# Altium PCB PCB1.PcbDoc (part 1 of 2)
Units mil, origin at the board's own origin, x right, y up, seen from the top; angles counter-clockwise.
Board outline 4115.03 x 4635.01 mil, 2 copper layers (Top Layer, Bottom Layer); 73 components, 69 nets, 299 pads, 57 vias.
Unrouted connection lines stored in the file: 1.
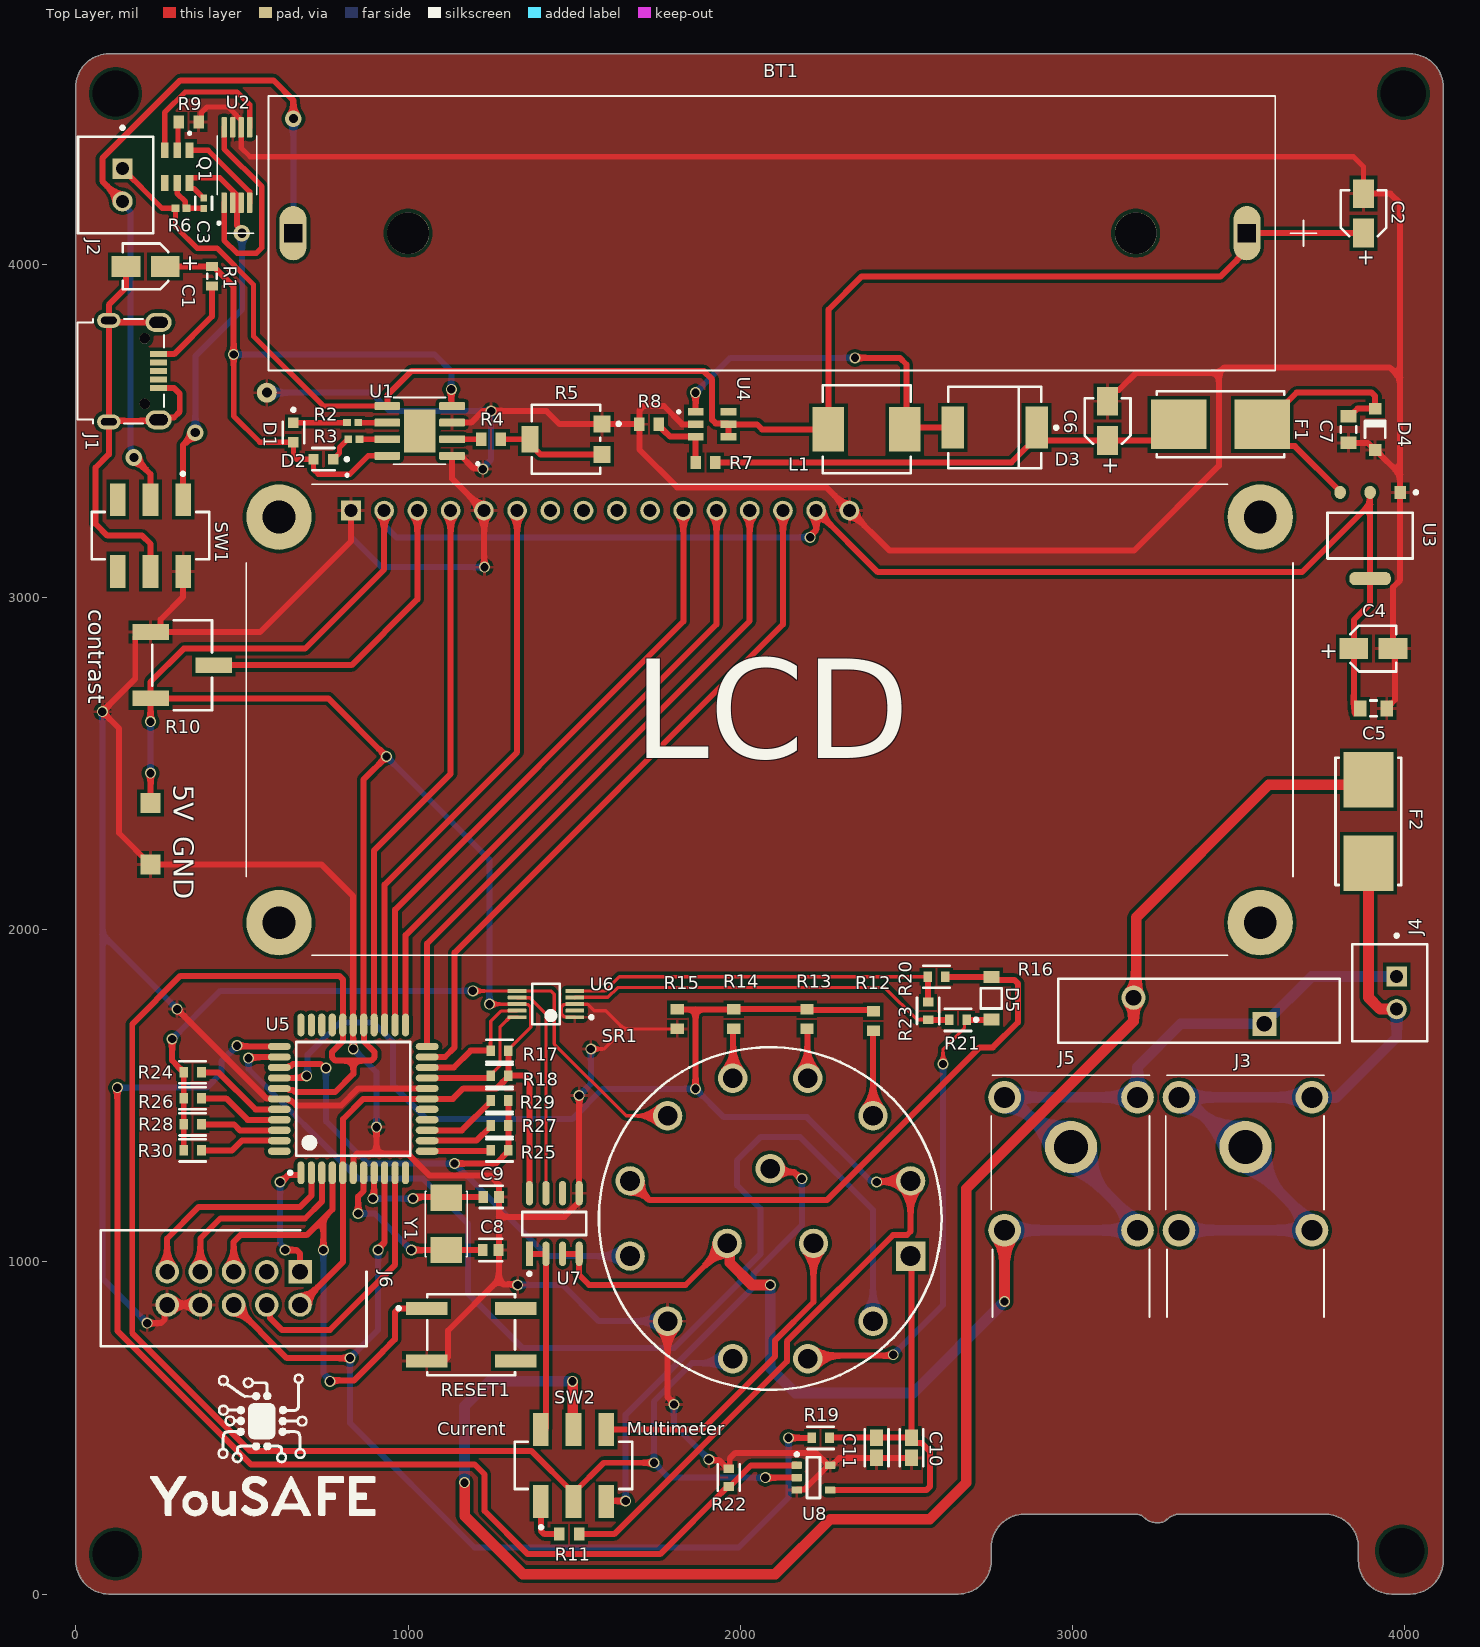
[diagram p0: Top Layer view]
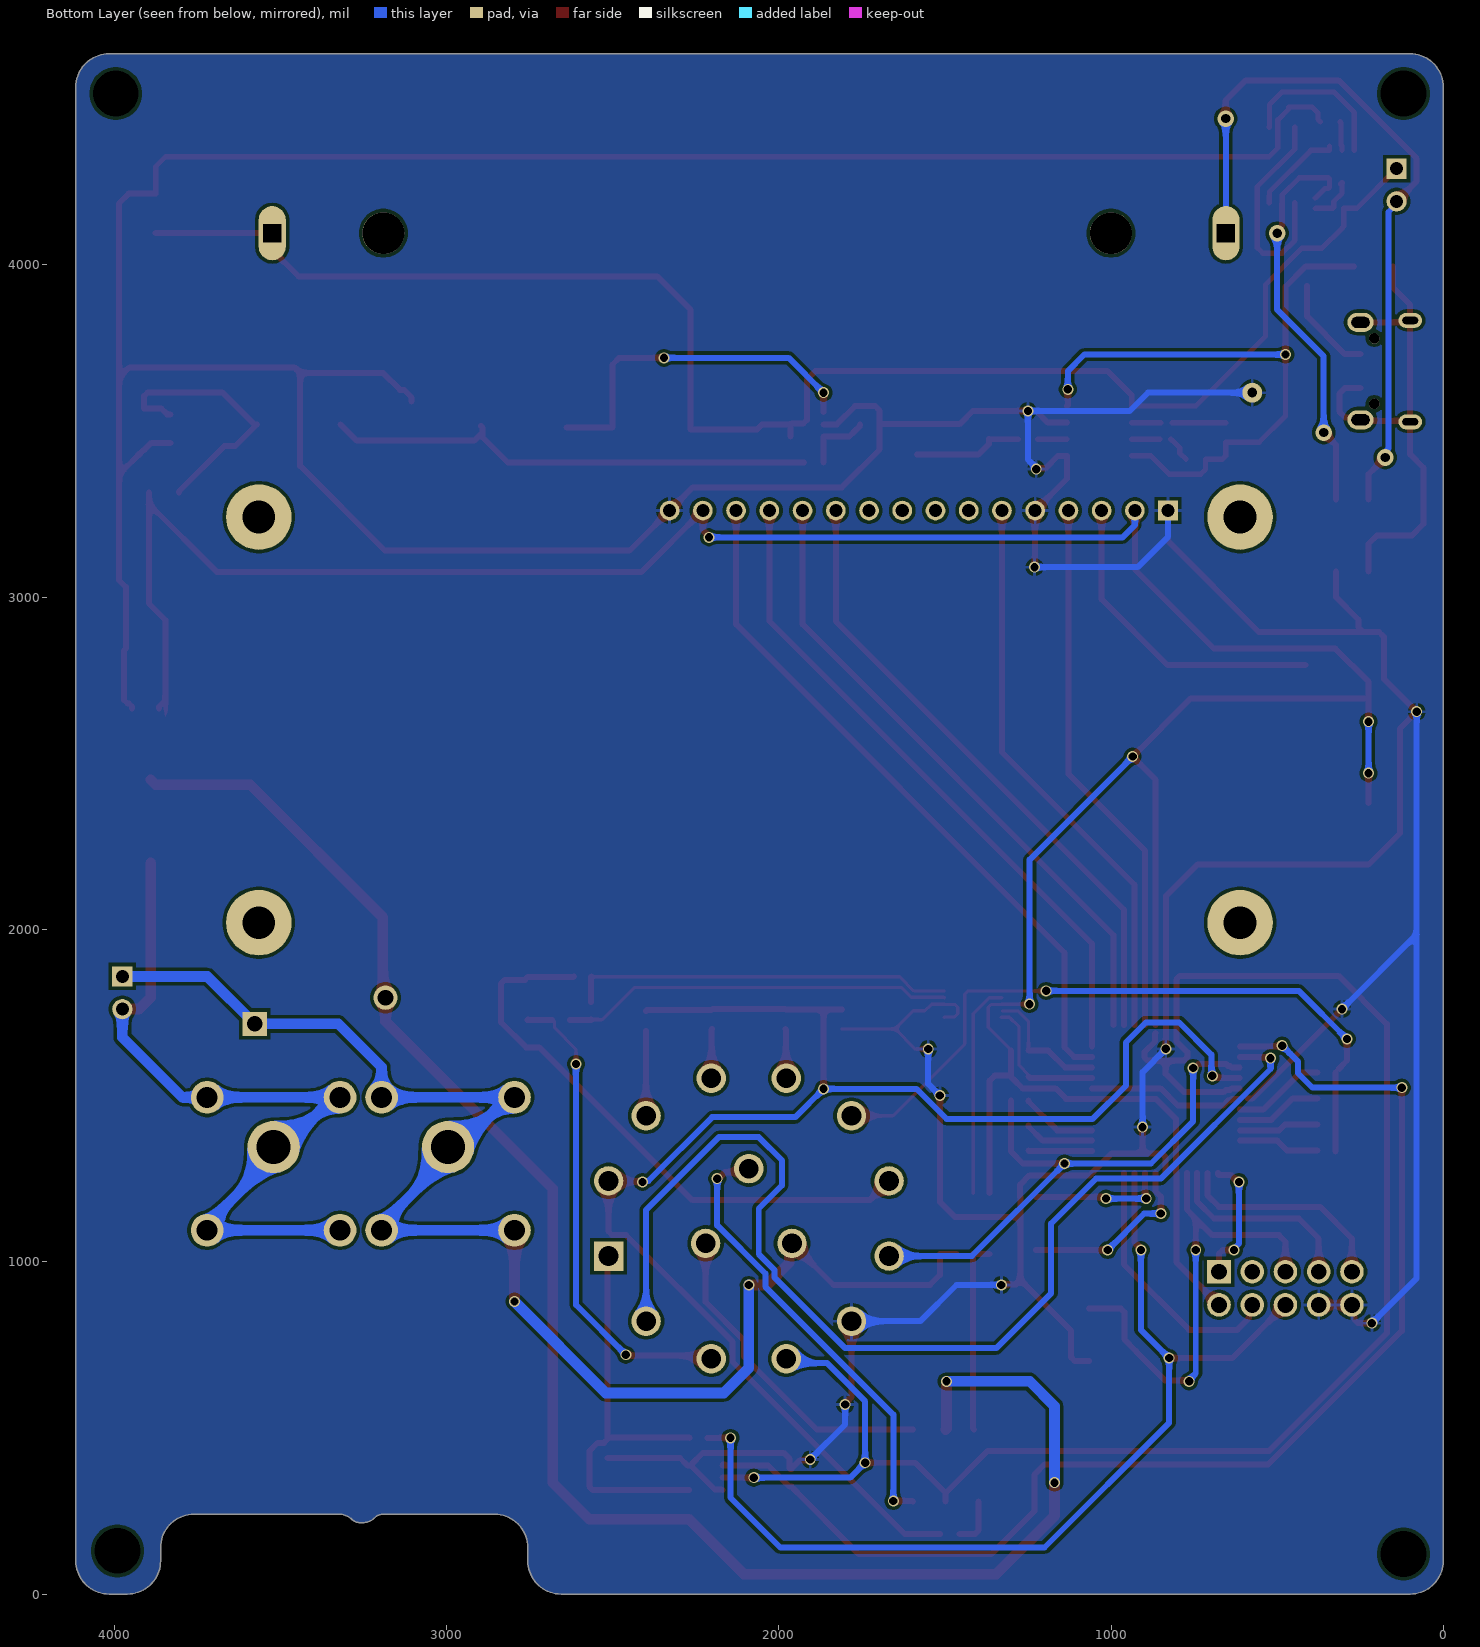
[diagram p1: Bottom Layer view, seen from below]
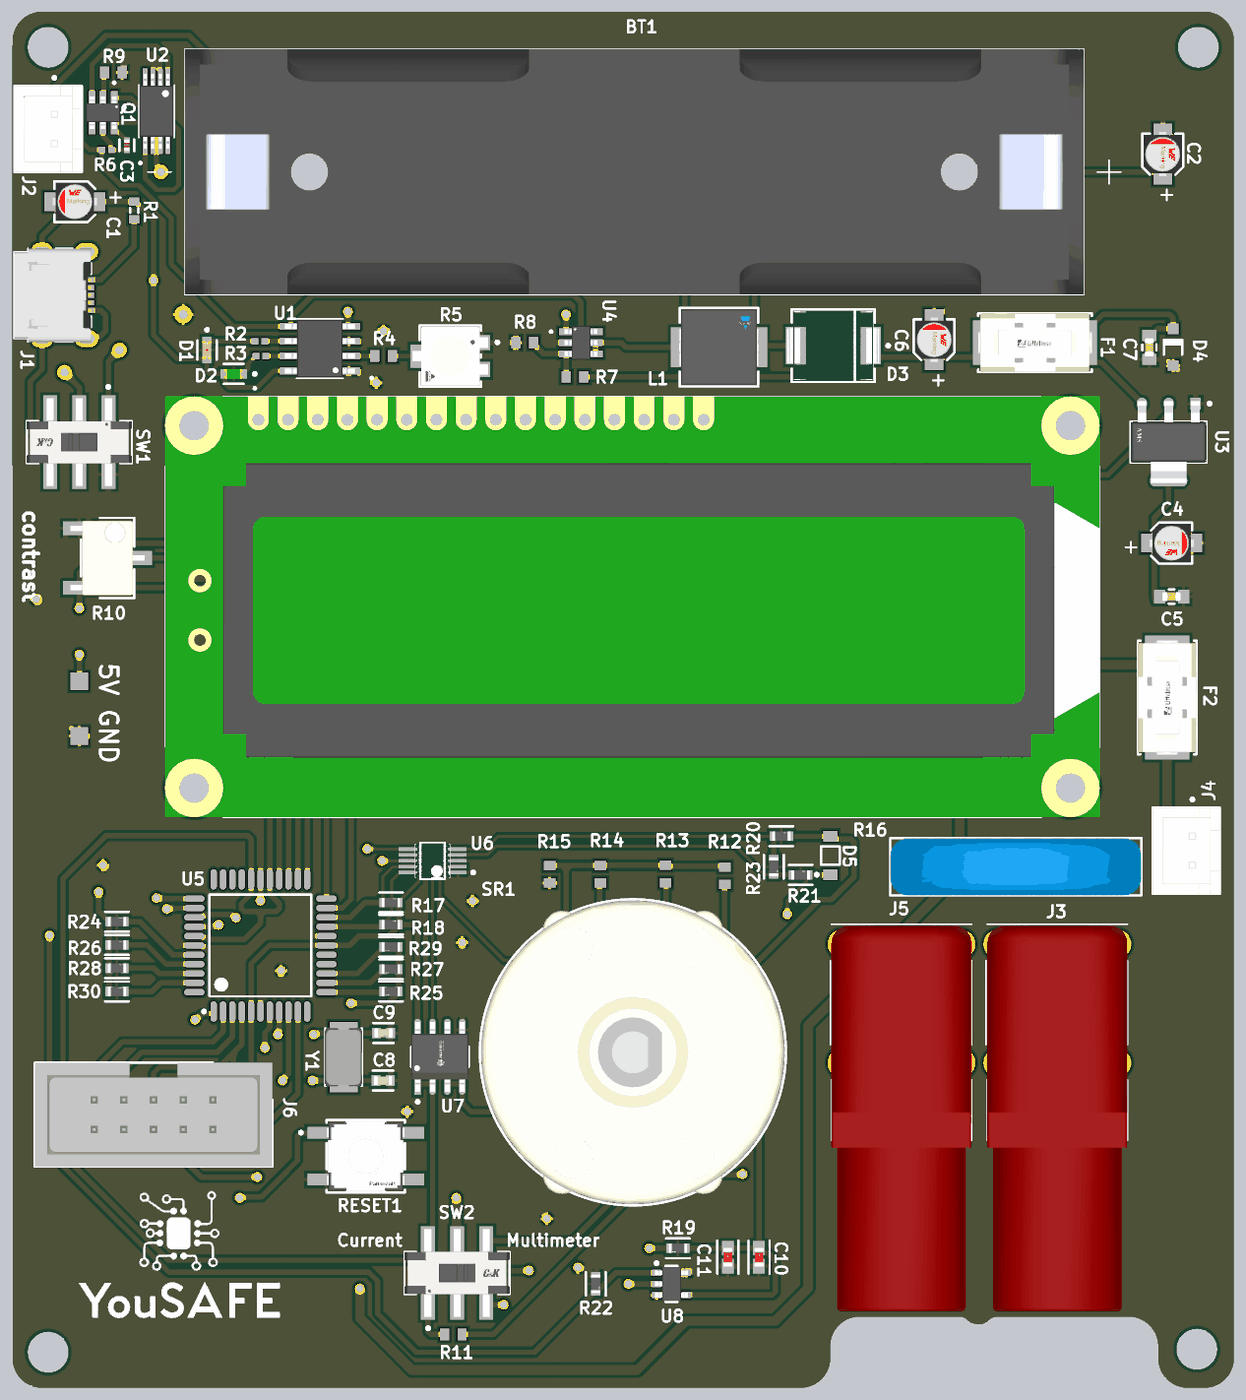
[diagram p3: 3D render of the assembled board from above, using the file's embedded part models]

## Layer stack, top to bottom
Top Solder: solder mask 0.4, Solder Resist, Dk 3.5
Top Layer: signal copper 1.4
Dielectric 1: dielectric 12.6, FR-4, Dk 4.8
Bottom Layer: signal copper 1.4
Bottom Solder: solder mask 0.4, Solder Resist, Dk 3.5

## Board outline
2915,240 2855,240 ccw(c2855,140) 2755,140 2755,100 cw(c2655,100) 2655,0 100,0 cw(c100,100) 0,100 0,120 -0.01,4515 0,4535.01 cw(c99.98,4535.03) 100,4635.01 4015,4635.01 cw(c4015.01,4535.03) 4115,4535.01 4115.02,4515 4115.01,100 cw(c4015.02,100) 4015.02,0 4015,0 3976.41,0 3960,0 cw(c3960,100) 3860,100 3860,140 ccw(c3760.01,140.01) 3760,240 3335,240 3321.21,240 ccw(c3321.21,188.79) 3285,225 cw(c3260.86,249.14) 3260.86,215 3251.21,215 cw(c3251.21,266.21) 3215,230 ccw(c3190.86,205.86) 3190.86,240 3180,240

## Design rules (kind name [scope] priority, off if disabled: settings)
AssemblyTestPointUsage [All] p1: isadvanced=TRUE
AssemblyTestpoint [All] p1: isadvanced=TRUE testpointundercomponent=TRUE minsize=40 maxsize=100 preferedsize=60 minholesize=0 maxholesize=40 preferedholesize=32 testpointgrid=1 usegrid=TRUE gridoriginx=0 gridoriginy=265 gridtolerance=0.01 allowsidetop=TRUE allowsidebottom=TRUE
Clearance [All] p1: gap=10 ignorepadtopadclearanceinfootprint=TRUE except(7: Arc-SMDPad Track-SMDPad SMDPad-SMDPad; 9: Arc-Arc Arc-Track Track-Track; 15: Fill-Hole) ismatrix=TRUE
ComponentClearance [All] p1: isadvanced=TRUE gap=10 collisioncheckmode=3 verticalgap=10 showdistances=FALSE
FabricationTestPointUsage [All] p1: isadvanced=TRUE valid=0 allowmultiple=FALSE
FabricationTestpoint [All] p1: isadvanced=TRUE side=3 testpointundercomponent=TRUE minsize=40 maxsize=100 preferedsize=60 minholesize=0 maxholesize=40 preferedholesize=32 testpointgrid=1 allowsidetop=TRUE allowsidebottom=TRUE usegrid=TRUE gridoriginx=0 gridoriginy=265 gridtolerance=0.01
FanoutControl Fanout_BGA [IsBGA] p1: isadvanced=TRUE bgadir=Out bgaviamode=Centered fanoutstyle=Auto fanoutdirection=Alternating viagrid=1 // Fanout_BGA (Default Rule)
FanoutControl Fanout_LCC [IsLCC] p2: isadvanced=TRUE bgadir=Out bgaviamode=Centered fanoutstyle=Auto fanoutdirection=Alternating viagrid=1 // Fanout_LCC (Default Rule)
FanoutControl Fanout_SOIC [IsSOIC] p3: isadvanced=TRUE bgadir=Out bgaviamode=Centered fanoutstyle=Auto fanoutdirection=Alternating viagrid=1 // Fanout_SOIC (Default Rule)
FanoutControl Fanout_Small [(CompPinCount < 5)] p4: isadvanced=TRUE bgadir=Out bgaviamode=Centered fanoutstyle=Auto fanoutdirection=OutThenIn viagrid=1 // Fanout_Small (Default Rule)
FanoutControl Fanout_Default [All] p5: isadvanced=TRUE bgadir=Out bgaviamode=Centered fanoutstyle=Auto fanoutdirection=Alternating viagrid=1 // Fanout_Default (Default Rule)
Height [All] p1: isadvanced=TRUE minheight=0 maxheight=2000 prefheight=500
HoleSize [All] p1: isadvanced=TRUE absolutevalues=TRUE maxlimit=240 minlimit=12 maxpercent=80.000 minpercent=20.000
HoleToHoleClearance [All] p1: isadvanced=TRUE gap=10 allowstackedmicrovias=TRUE
LayerPairs [All] p1: isadvanced=TRUE enforce=TRUE
MinimumSolderMaskSliver [All] p1: isadvanced=TRUE minsoldermaskwidth=1
NetAntennae [All] p1: isadvanced=TRUE netantennaetolerance=0
PasteMaskExpansion [All] p1: isadvanced=TRUE expansion=0
PlaneClearance [All] p1: isadvanced=TRUE clearance=50
PlaneConnect [All] p1: isadvanced=TRUE planeconnectstyle=Relief reliefexpansion=20 reliefentries=4 reliefconductorwidth=10 reliefairgap=10
PolygonConnect [All] p1: connectstyle=Relief reliefconductorwidth=10 reliefentries=4 polygonreliefangle="90 Angle" airgapwidth=10
RoutingCorners [All] p1: isadvanced=TRUE cornerstyle=45-Degree minsetback=100 maxsetback=100
RoutingPriority [All] p1: isadvanced=TRUE routingpriority=0
RoutingVias [All] p1: holewidth=28 width=50 viastyle="Through Hole" minholewidth=28 minwidth=50 maxholewidth=28 maxwidth=50
ShortCircuit [All] p1: isadvanced=TRUE allowed=FALSE
SilkToSilkClearance [All] p1: isadvanced=TRUE silktosilkclearance=5
SilkToSolderMaskClearance [IsPad] p1: isadvanced=TRUE minsilkscreentomaskgap=3.5 clearancetoexposedcopper=TRUE
SolderMaskExpansion [All] p1: isadvanced=TRUE expansion=4 istentingtop=FALSE
SupplyNets "Schematic Supply Nets_8" [InNet('+5')] p1: voltage=0.000
SupplyNets "Schematic Supply Nets_7" [InNet('VIN')] p2: voltage=0.000
SupplyNets "Schematic Supply Nets_6" [InNet('GND')] p3: voltage=0.000
SupplyNets "Schematic Supply Nets_5" [InNet('+BAT')] p4: voltage=0.000
SupplyNets "Schematic Supply Nets_4" [InNet('-BAT')] p5: voltage=0.000
SupplyNets "Schematic Supply Nets_3" [InNet('+BAT')] p6: isadvanced=TRUE voltage=3.700
SupplyNets "Schematic Supply Nets_2" [InNet('GND')] p7: isadvanced=TRUE voltage=0.000
SupplyNets "Schematic Supply Nets_1" [InNet('+5')] p8: isadvanced=TRUE voltage=5.000
SupplyNets "Schematic Supply Nets" [InNet('VIN')] p9: isadvanced=TRUE voltage=5.000
UnRoutedNet [All] p1: isadvanced=TRUE
UnpouredPolygon [All] p1: isadvanced=TRUE
Width [All] p1: maxlimit=32 minlimit=10 preferedwidth=18 minimp=50.000000 maximp=50.000000 favimp=50.000000
4 further rules are at their usual default settings.

## Classes and differential pairs
component class Powering: 5V BT1 C1 C2 C3 C4 C5 C6 C7 D1 D2 D3 D4 F1 GND J1 J2 L1 Q1 R1 R2 R3 R4 R5 R6 R7 R8 R9 SW1 U1 U2 U3 U4
component class Measuring: C8 C9 C10 C11 D5 F2 J3 J4 J5 J6 LCD R10 R11 R12 R13 R14 R15 R16 R17 R18 R19 R20 R21 R22 R23 R24 R25 R26 R27 R28 R29 R30 RESET1 SR1 SW2 U5 U6 U7 U8 Y1

## Components (designator, comment, footprint, x,y, rotation, side; value= is the part's Value field where it differs from the comment)
5V "Test Point" Test_Point 225,2380 r0 top
BT1 "18650BAT_HOLDER" 18650BAT_HOLDER 2095,4095 r180 top
C1 "10uF" WCAP-ASLU_D3H5.5 210,3995 r0 top
C2 "10uF" WCAP-ASLU_D3H5.5 3875,4155 r270 top
C3 "100nF" FP-C0402-BB-MFG 385,4185 r90 top value="0.10 μF"
C4 "10uF" WCAP-ASLU_D3H5.5 3905,2845 r180 top
C5 "100nF" FP-CGA3E-0_3-0_1-IPC_A 3905,2665 r0 top
C6 "10uF" WCAP-ASLU_D3H5.5 3105,3530 r270 top
C7 "100nF" FP-CGA3E-0_3-0_1-IPC_A 3830,3504.35 r270 top
C8 "22pF" FP-C0603C-CF-MFG 1248.62,1035 r180 top value="22 pF"
C9 "22pF" FP-C0603C-CF-MFG 1250,1195 r180 top value="22 pF"
C10 "1uF" FP-0603-L_1_6_0_1-W_0_8_0-IPC_A 2515,440 r270 top
C11 "1uF" FP-0603-L_1_6_0_1-W_0_8_0-IPC_A 2410,440 r270 top
D1 "LTST-C190KRKT" FP-LTST-C190KRKT-MFG 655,3495.47 r270 top
D2 "LTST-C190GKT" FP-LTST-C190GKT-MFG 745,3415 r180 top
D3 "SS34-E3/57T" FP-95402-MFG 2765,3510 r180 top
D4 "1N4148" DIOD-SOD123-2_V 3910,3505 r90 top
D5 "45V" ONSC-SOD-123-2-425-04_V 2755,1792.68 r90 top
F1 "0154004.DR" FP-0154-MFG 3444.61,3520 r0 top
F2 "0154004.DR" FP-0154-MFG 3890,2325 r90 top
GND "Test Point" Test_Point 225,2195 r90 top
J1 "Micro USB 2.0_Type B" "MICRO USB 2.0_TYPE B" 135,3680 r270 top
J2 "B2B-XH-A(LF)(SN)" FP-B2B-XH-A_LF_SN-MFG 120,4240 r270 top
J3 "FCR7350R" FCR7350R 3520,1345 r0 top
J4 "B2B-XH-A(LF)(SN)" FP-B2B-XH-A_LF_SN-MFG 3954.33,1809.21 r270 top
J5 "FCR7350B" FCR7350B 2995,1345 r0 top
J6 "USBASP Connector" SHDR10W99P254_2X5_2032X889X927P 675,970 r180 top
L1 "22uH" FP-IHLP-2525CZ-FP_2_413x3-MFG 2380,3505 r0 top
LCD "LCD2X16" LCD_LCD2X16 2088,2630.47 r0 top
Q1 "FS8205A" SOP65P640X120-8N 485,4300 r90 top
R1 "" J1-0603 410,3965.47 r270 top value=0
R2 "1K" RESC1005X40X25NL05T10 833.27,3525 r180 top
R3 "1K" RESC1005X40X25NL05T10 836.73,3475 r180 top
R4 "1.2K" RESC1608X55X25ML10T15 1250,3475 r180 top
R5 "8.2K" FP-TS53YL-MFG 1475,3475 r90 top
R6 "100" RESC1005X40X25NL05T10 316.73,4170 r180 top
R7 "10" RESC1608X55X25ML10T15 1895,3405 r0 top
R8 "1K" RESC1608X55X25ML10T15 1725.47,3520 r0 top
R9 "1K" RESC1608X55X25ML10T15 340,4430 r0 top
R10 "100K" FP-3269W-MFG 320,2795 r270 top value=100kΩ
R11 "3.9K" RESC1608X55X25ML10T15 1485,180 r0 top
R12 "220" RESC1608X55X25ML10T15 2400,1724.53 r90 top
R13 "580" RESC1608X55X25ML10T15 2200,1730.47 r90 top
R14 "1.5K" RESC1608X55X25ML10T15 1980,1730 r90 top
R15 "1K" RESC1608X55X25ML10T15 1810,1730 r90 top
R16 "B72220S0300K101" FP-B72220S0-MFG 3380,1755 r180 top value=9350pF
R17 "10K" FP-RC0603-0_55-IPC_C 1275,1635 r0 top
R18 "10K" FP-RC0603-0_55-IPC_C 1275,1560 r0 top
R19 "220" FP-RC0603-0_55-IPC_C 2241.64,470 r180 top
R20 "10K" FP-RC0603-0_55-IPC_C 2590,1857.68 r0 top
R21 "10K" FP-RC0603-0_55-IPC_C 2655,1727.68 r0 top
R22 "10K" FP-RC0603-0_55-IPC_C 1965,350 r270 top
R23 "2K" FP-RC0603-0_55-IPC_C 2565,1755 r270 top
R24 "200" FP-RC0603-0_55-IPC_C 351.64,1570 r0 top
R25 "220" FP-RC0603-0_55-IPC_C 1275,1335 r180 top
R26 "2K" FP-RC0603-0_55-IPC_C 351.64,1491.67 r0 top
R27 "10K" FP-RC0603-0_55-IPC_C 1275,1410 r180 top
R28 "20K" FP-RC0603-0_55-IPC_C 351.64,1413.33 r0 top
R29 "1M" FP-RC0603-0_55-IPC_C 1275,1485 r180 top
R30 "470K" FP-RC0603-0_55-IPC_C 351.64,1335 r0 top
RESET1 "EVQ-Q2B02W" FP-EVQ-Q2B02W-MFG 1190,780 r0 top
SR1 "SR2611F-0304" SW_A30403RNCQ 2090,1130 r0 top
SW1 "JS202011SCQN" FP-JS202011SCQN-MFG 225,3185 r180 top
SW2 "JS202011SCQN" FP-JS202011SCQN-MFG 1497.74,386.82 r0 top
U1 "TP4056" TP4056 1035,3500 r180 top
U2 "DW01A" SOT95P280X145-6N 305,4295 r270 top
U3 "ams1117-5" FP-ams1117-IPC_C 3895,3185.28 r270 top
U4 "MT3608" SOT95P280X145-6N 1915,3520 r0 top
U5 "ATmega32-16AU" 44A_N 835,1490 r90 top
U6 "ADS1015IDGST" FP-DGS0010A-MFG 1415,1775 r180 top
U7 "ACS712ELCTR-20A-T" FP-LC-8-IPC_C 1440,1115 r90 top
U8 "LMC7101AIM5X" DBV0005A_L 2220,350 r0 top
Y1 "16MHZ" XTAL_NX5032GA-16.000000MHZ-LN-CD-1 1115,1113.74 r270 top

## Footprints (in the part's own frame and the unit in brackets; to place one, negate y for a bottom-side part, rotate by r counter-clockwise, add the part's x,y. Pads: shape width x height; smd on the part's side, far side on the other; paste and mask are expansions set on the pad)
44A_N [mm] "Thin QFP, 44-Leads, Body 10x10mm, Pitch 0.8mm, IPC Medium Density"
  oval 1.75x0.55 smd: 1(-5.65,4) 2(-5.65,3.2) 3(-5.65,2.4) 4(-5.65,1.6) 5(-5.65,0.8) 6(-5.65,0) 7(-5.65,-0.8) 8(-5.65,-1.6) 9(-5.65,-2.4) 10(-5.65,-3.2) 11(-5.65,-4) 23(5.65,-4) 24(5.65,-3.2) 25(5.65,-2.4) 26(5.65,-1.6) 27(5.65,-0.8) 28(5.65,0) 29(5.65,0.8) 30(5.65,1.6) 31(5.65,2.4) 32(5.65,3.2) 33(5.65,4)
  oval 0.55x1.75 smd: 12(-4,-5.65) 13(-3.2,-5.65) 14(-2.4,-5.65) 15(-1.6,-5.65) 16(-0.8,-5.65) 17(0,-5.65) 18(0.8,-5.65) 19(1.6,-5.65) 20(2.4,-5.65) 21(3.2,-5.65) 22(4,-5.65) 34(4,5.65) 35(3.2,5.65) 36(2.4,5.65) 37(1.6,5.65) 38(0.8,5.65) 39(0,5.65) 40(-0.8,5.65) 41(-1.6,5.65) 42(-2.4,5.65) 43(-3.2,5.65) 44(-4,5.65)
  silkscreen extent -5.77,-4.35 4.35,4.95, body extent -5,-5 5,5, height 1.2
18650BAT_HOLDER [mm]
  oval 2.07x4.14 hole 1.38 square: NEG(36.6,0) POS(-36.3,0)
  round 3.2 hole 3.2 unplated: ""(-27.805,0) ""(27.81,0)
  silkscreen extent -41.63,-10.49 41.63,10.49, body extent -38.48,-10.49 38.48,10.49, height 21.42
DBV0005A_L [mm] "SOT23, 5-Leads, Body 3.05x1.75mm, Pitch 0.95mm, IPC High Density"
  rrect18% 0.8x0.55 smd: 1(-1.275,0.95) 2(-1.275,0) 3(-1.275,-0.95) 4(1.275,-0.95) 5(1.275,0.95)
  silkscreen extent -1.4,-1.55 0.5,1.9, body extent -1.42,-1.46 1.42,1.46, height 1.08
DIOD-SOD123-2_V [mm] "SOD123, 2-Leads, Body 2.7x1.55mm, Height 1.45mm"
  rect 0.9x0.95 smd: 1(-1.575,0) 2(1.575,0)
  silkscreen extent -0.64,-0.82 0.64,0.78, body extent -1.35,-0.77 1.35,0.77, height 1.45
FCR7350B [mm]
  round 4 hole 2.6: P$1(0,0)
  round 2.5 hole 1.6: P$2(-5.08,3.8) P$3(5.08,3.8) P$4(-5.08,-6.36) P$5(5.08,-6.36)
  silkscreen extent -6.1,-13 6,5.5, body extent -6,-27.62 6,5.38, height 11.5
FCR7350R [mm]
  round 4 hole 2.6: P$1(0,0)
  round 2.5 hole 1.6: P$2(-5.08,3.8) P$3(5.08,3.8) P$4(-5.08,-6.36) P$5(5.08,-6.36)
  silkscreen extent -6.1,-13 6,5.5, body extent -6,-27.62 6,5.38, height 11.5
FP-0154-MFG [mm]
  rect 4.24x3.81 smd paste+0 mask+0: 1(-3.185,0) 2(3.185,0)
  silkscreen extent -4.87,-2.52 4.87,2.52, body extent -5.41,-2.62 5.41,2.62, height 0.25
FP-0603-L_1_6_0_1-W_0_8_0-IPC_A [mil]
  rect 49.52x39.85 smd paste+0 mask+0: 1(-30.6,0) 2(30.6,0)
  silkscreen extent -55,-36 55,36, body extent -75,-40 75,40, height 10
FP-3269W-MFG [mm]
  rect 1.19x2.79 smd paste+0 mask+0: 1(-2.54,-2.415) 2(0,2.415) 3(2.54,-2.415)
  silkscreen extent -3.43,-2.28 3.43,2.28, body extent -3.53,-3.91 3.53,3.91, height 0.25
FP-95402-MFG [mm]
  rect 1.72x3.2 smd paste+0 mask+0: 1(-3.205,0) 2(3.205,0)
  silkscreen extent -4.83,-3.11 3.55,3.11, body extent -4.17,-3.21 4.17,3.21, height 0.25
FP-ams1117-IPC_C [mm]
  rect 1.004x0.872 smd paste+0 mask+0: 1(-3.295,2.29)
  rrect100% 1.004x0.872 smd paste+0 mask+0: 2(-3.295,0) 3(-3.295,-2.29)
  rrect87% 1.004x3.182 smd paste+0 mask+0: 4(3.295,0)
  silkscreen extent -3.42,-3.25 1.75,3.63, body extent -3.9,-3.35 3.9,3.35, height 0.25
FP-B2B-XH-A_LF_SN-MFG [mm]
  rect 1.55x1.55 hole 1 paste-2539.97 mask+0: 1(-1.25,0.525)
  round 1.55 hole 1 paste-2539.97 mask+0: 2(1.25,0.525)
  silkscreen extent -4.5,-2.87 3.7,2.88, body extent -3.8,-2.98 3.8,2.98, height 0.25
FP-B72220S0-MFG [mm]
  rect 1.85x1.85 hole 1.2 paste-2539.97 mask+0: 1(-5,1)
  round 1.85 hole 1.2 paste-2539.97 mask+0: 2(5,-1)
  silkscreen extent -10.75,-2.45 10.75,2.45, body extent -10.85,-2.55 10.85,2.55, height 0.25
FP-C0402-BB-MFG [mm]
  rect 0.52x0.52 smd paste+0 mask+0: 1(-0.4,0) 2(0.4,0)
  silkscreen extent -0.5,-0.64 0.5,0.64, body extent -0.8,-0.4 0.8,0.4, height 0.25
FP-C0603C-CF-MFG [mm]
  rect 0.75x0.9 smd paste+0 mask+0: 1(-0.6,0) 2(0.6,0)
  silkscreen extent -0.87,-0.85 0.88,0.85, body extent -1.2,-0.6 1.2,0.6, height 0.25
FP-CGA3E-0_3-0_1-IPC_A [mm]
  rect 0.956x1.206 smd paste+0 mask+0: 1(-1.025,0) 2(1.025,0)
  silkscreen extent -0.25,-0.6 0.25,0.6, body extent -2,-1.1 2,1.1, height 0.25
FP-DGS0010A-MFG [mm]
  rrect33% 1.45x0.3 smd paste+0 mask+0: 1(-2.2,1) 2(-2.2,0.5) 3(-2.2,0) 4(-2.2,-0.5) 5(-2.2,-1) 6(2.2,-1) 7(2.2,-0.5) 8(2.2,0) 9(2.2,0.5) 10(2.2,1)
  silkscreen extent -3.6,-1.55 1.05,1.55, body extent -3.03,-1.8 3.03,1.8, height 0.25
FP-EVQ-Q2B02W-MFG [mm]
  rect 3.2x1 smd paste+0 mask+0: A(-3.4,2) A'(3.4,2) B(-3.4,-2) B'(3.4,-2)
  silkscreen extent -5.67,-3.1 3.35,3.1, body extent -5.1,-3.2 5.1,3.2, height 0.25
FP-IHLP-2525CZ-FP_2_413x3-MFG [mil]
  rect 95x135 smd paste+0 mask+0: 1(-115,0) 2(115,0)
  silkscreen extent -132,-132 132,132, body extent -166,-136 166,136, height 10